# Altium PCB Even.PcbDoc (part 1 of 3) (continued)
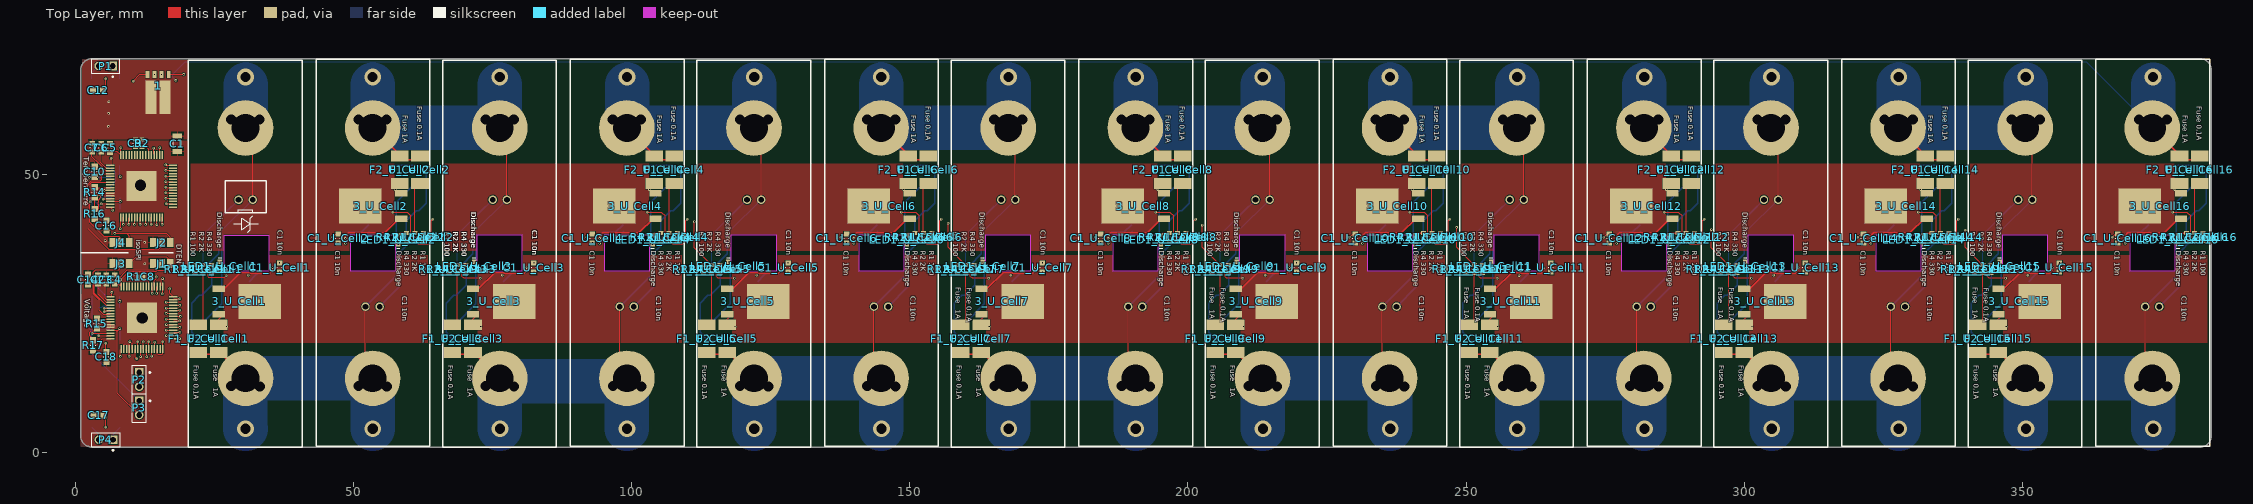
[diagram p0: Top Layer view]
## Components (designator, comment, footprint, x,y, rotation, side; value= is the part's Value field where it differs from the comment) (continued)
F1_U_Cell10 "0679L" 2410SMD 244.775,50.85 r90 top (schematic designator F1)
F1_U_Cell11 "0679L" 2410SMD 250.6,20.5 r270 top (schematic designator F1)
F1_U_Cell12 "0679L" 2410SMD 290.475,50.85 r90 top (schematic designator F1)
F1_U_Cell13 "0679L" 2410SMD 296.3,20.5 r270 top (schematic designator F1)
F1_U_Cell14 "0679L" 2410SMD 336.175,50.85 r90 top (schematic designator F1)
F1_U_Cell15 "0679L" 2410SMD 342,20.5 r270 top (schematic designator F1)
F1_U_Cell16 "0679L" 2410SMD 381.875,50.85 r90 top (schematic designator F1)
F2_U_Cell1 "0679L" 2410SMD 25.8,20.5 r90 top (schematic designator F2)
F2_U_Cell2 "0679L" 2410SMD 58.35,50.85 r270 top (schematic designator F2)
F2_U_Cell3 "0679L" 2410SMD 71.5,20.5 r90 top (schematic designator F2)
F2_U_Cell4 "0679L" 2410SMD 104.05,50.85 r270 top (schematic designator F2)
F2_U_Cell5 "0679L" 2410SMD 117.2,20.5 r90 top (schematic designator F2)
F2_U_Cell6 "0679L" 2410SMD 149.75,50.85 r270 top (schematic designator F2)
F2_U_Cell7 "0679L" 2410SMD 162.9,20.5 r90 top (schematic designator F2)
F2_U_Cell8 "0679L" 2410SMD 195.45,50.85 r270 top (schematic designator F2)
F2_U_Cell9 "0679L" 2410SMD 208.6,20.5 r90 top (schematic designator F2)
F2_U_Cell10 "0679L" 2410SMD 241.15,50.85 r270 top (schematic designator F2)
F2_U_Cell11 "0679L" 2410SMD 254.3,20.5 r90 top (schematic designator F2)
F2_U_Cell12 "0679L" 2410SMD 286.85,50.85 r270 top (schematic designator F2)
F2_U_Cell13 "0679L" 2410SMD 300,20.5 r90 top (schematic designator F2)
F2_U_Cell14 "0679L" 2410SMD 332.55,50.85 r270 top (schematic designator F2)
F2_U_Cell15 "0679L" 2410SMD 345.7,20.5 r90 top (schematic designator F2)
F2_U_Cell16 "0679L" 2410SMD 378.25,50.85 r270 top (schematic designator F2)
J1 "JUMPER_2W" SJ_2 15.524,34 r180 top
J2 "JUMPER_2W" SJ_2 15.524,37.75 r180 top
J3 "JUMPER_2W" SJ_2 8.226,34 r180 top
J4 "JUMPER_2W" SJ_2 8.226,37.75 r180 top
LED1_U_Cell1 "150060SS75000" 0603_A 26,33.5 r270 top (schematic designator LED1)
LED1_U_Cell2 "150060SS75000" 0603_A 58.075,38.25 r90 top (schematic designator LED1)
LED1_U_Cell3 "150060SS75000" 0603_A 71.7,33.5 r270 top (schematic designator LED1)
LED1_U_Cell4 "150060SS75000" 0603_A 103.775,38.25 r90 top (schematic designator LED1)
LED1_U_Cell5 "150060SS75000" 0603_A 117.4,33.5 r270 top (schematic designator LED1)
LED1_U_Cell6 "150060SS75000" 0603_A 149.475,38.25 r90 top (schematic designator LED1)
LED1_U_Cell7 "150060SS75000" 0603_A 163.1,33.5 r270 top (schematic designator LED1)
LED1_U_Cell8 "150060SS75000" 0603_A 195.175,38.25 r90 top (schematic designator LED1)
LED1_U_Cell9 "150060SS75000" 0603_A 208.8,33.5 r270 top (schematic designator LED1)
LED1_U_Cell10 "150060SS75000" 0603_A 240.875,38.25 r90 top (schematic designator LED1)
LED1_U_Cell11 "150060SS75000" 0603_A 254.5,33.5 r270 top (schematic designator LED1)
LED1_U_Cell12 "150060SS75000" 0603_A 286.575,38.25 r90 top (schematic designator LED1)
LED1_U_Cell13 "150060SS75000" 0603_A 300.2,33.5 r270 top (schematic designator LED1)
LED1_U_Cell14 "150060SS75000" 0603_A 332.275,38.25 r90 top (schematic designator LED1)
LED1_U_Cell15 "150060SS75000" 0603_A 345.9,33.5 r270 top (schematic designator LED1)
LED1_U_Cell16 "150060SS75000" 0603_A 377.975,38.25 r90 top (schematic designator LED1)
P1 "TSW-102-07-S-S" SMTC-TSW-102-07-S-S 5.475,69.5 r180 top
P2 "TSW-102-07-S-S" SMTC-TSW-102-07-S-S 11.5,13.13 r270 top
P3 "TSW-102-07-S-S" SMTC-TSW-102-07-S-S 11.5,8.05 r270 top
P4 "TSW-102-07-S-S" SMTC-TSW-102-07-S-S 5.525,2.325 r180 top
R1 "100 1% 0603(1608)" RESC0603(1608)_L 10.6,31.6 r0 top value="2.94 Ohm"
R1_U_Cell1 "100 1% 0603(1608)" RESC0603(1608)_L 21.5,33 r270 top value="2.94 Ohm" (schematic designator R1)
R1_U_Cell2 "100 1% 0603(1608)" RESC0603(1608)_L 62.575,38.75 r90 top value="2.94 Ohm" (schematic designator R1)
R1_U_Cell3 "100 1% 0603(1608)" RESC0603(1608)_L 67.2,33 r270 top value="2.94 Ohm" (schematic designator R1)
R1_U_Cell4 "100 1% 0603(1608)" RESC0603(1608)_L 108.275,38.75 r90 top value="2.94 Ohm" (schematic designator R1)
R1_U_Cell5 "100 1% 0603(1608)" RESC0603(1608)_L 112.9,33 r270 top value="2.94 Ohm" (schematic designator R1)
R1_U_Cell6 "100 1% 0603(1608)" RESC0603(1608)_L 153.975,38.75 r90 top value="2.94 Ohm" (schematic designator R1)
R1_U_Cell7 "100 1% 0603(1608)" RESC0603(1608)_L 158.6,33 r270 top value="2.94 Ohm" (schematic designator R1)
R1_U_Cell8 "100 1% 0603(1608)" RESC0603(1608)_L 199.675,38.75 r90 top value="2.94 Ohm" (schematic designator R1)
R1_U_Cell9 "100 1% 0603(1608)" RESC0603(1608)_L 204.3,33 r270 top value="2.94 Ohm" (schematic designator R1)
R1_U_Cell10 "100 1% 0603(1608)" RESC0603(1608)_L 245.375,38.75 r90 top value="2.94 Ohm" (schematic designator R1)
R1_U_Cell11 "100 1% 0603(1608)" RESC0603(1608)_L 250,33 r270 top value="2.94 Ohm" (schematic designator R1)
R1_U_Cell12 "100 1% 0603(1608)" RESC0603(1608)_L 291.075,38.75 r90 top value="2.94 Ohm" (schematic designator R1)
R1_U_Cell13 "100 1% 0603(1608)" RESC0603(1608)_L 295.7,33 r270 top value="2.94 Ohm" (schematic designator R1)
R1_U_Cell14 "100 1% 0603(1608)" RESC0603(1608)_L 336.775,38.75 r90 top value="2.94 Ohm" (schematic designator R1)
R1_U_Cell15 "100 1% 0603(1608)" RESC0603(1608)_L 341.4,33 r270 top value="2.94 Ohm" (schematic designator R1)
R1_U_Cell16 "100 1% 0603(1608)" RESC0603(1608)_L 382.475,38.75 r90 top value="2.94 Ohm" (schematic designator R1)
R2 "100 1% 0603(1608)" RESC0603(1608)_L 12.014,55.601 r90 top value="2.94 Ohm"
R2_U_Cell1 "2K 1% 0603(1608)" RESC0603(1608)_L 23,33 r270 top value="2.94 Ohm" (schematic designator R2)
R2_U_Cell2 "2K 1% 0603(1608)" RESC0603(1608)_L 61.075,38.75 r90 top value="2.94 Ohm" (schematic designator R2)
R2_U_Cell3 "2K 1% 0603(1608)" RESC0603(1608)_L 68.7,33 r270 top value="2.94 Ohm" (schematic designator R2)
R2_U_Cell4 "2K 1% 0603(1608)" RESC0603(1608)_L 106.775,38.75 r90 top value="2.94 Ohm" (schematic designator R2)
R2_U_Cell5 "2K 1% 0603(1608)" RESC0603(1608)_L 114.4,33 r270 top value="2.94 Ohm" (schematic designator R2)
R2_U_Cell6 "2K 1% 0603(1608)" RESC0603(1608)_L 152.475,38.75 r90 top value="2.94 Ohm" (schematic designator R2)
R2_U_Cell7 "2K 1% 0603(1608)" RESC0603(1608)_L 160.1,33 r270 top value="2.94 Ohm" (schematic designator R2)
R2_U_Cell8 "2K 1% 0603(1608)" RESC0603(1608)_L 198.175,38.75 r90 top value="2.94 Ohm" (schematic designator R2)
R2_U_Cell9 "2K 1% 0603(1608)" RESC0603(1608)_L 205.8,33 r270 top value="2.94 Ohm" (schematic designator R2)
R2_U_Cell10 "2K 1% 0603(1608)" RESC0603(1608)_L 243.875,38.75 r90 top value="2.94 Ohm" (schematic designator R2)
R2_U_Cell11 "2K 1% 0603(1608)" RESC0603(1608)_L 251.5,33 r270 top value="2.94 Ohm" (schematic designator R2)
R2_U_Cell12 "2K 1% 0603(1608)" RESC0603(1608)_L 289.575,38.75 r90 top value="2.94 Ohm" (schematic designator R2)
R2_U_Cell13 "2K 1% 0603(1608)" RESC0603(1608)_L 297.2,33 r270 top value="2.94 Ohm" (schematic designator R2)
R2_U_Cell14 "2K 1% 0603(1608)" RESC0603(1608)_L 335.275,38.75 r90 top value="2.94 Ohm" (schematic designator R2)
R2_U_Cell15 "2K 1% 0603(1608)" RESC0603(1608)_L 342.9,33 r270 top value="2.94 Ohm" (schematic designator R2)
R2_U_Cell16 "2K 1% 0603(1608)" RESC0603(1608)_L 380.975,38.75 r90 top value="2.94 Ohm" (schematic designator R2)
R3_U_Cell1 "100K NTC 1% 0603(1608)" RESC0603(1608)_L 31.8,30.675 r0 bottom value="2.94 Ohm" (schematic designator R3)
R3_U_Cell2 "100K NTC 1% 0603(1608)" RESC0603(1608)_L 52.275,41.075 r180 bottom value="2.94 Ohm" (schematic designator R3)
R3_U_Cell3 "100K NTC 1% 0603(1608)" RESC0603(1608)_L 77.5,30.675 r0 bottom value="2.94 Ohm" (schematic designator R3)
R3_U_Cell4 "100K NTC 1% 0603(1608)" RESC0603(1608)_L 97.975,41.075 r180 bottom value="2.94 Ohm" (schematic designator R3)
R3_U_Cell5 "100K NTC 1% 0603(1608)" RESC0603(1608)_L 123.2,30.675 r0 bottom value="2.94 Ohm" (schematic designator R3)
R3_U_Cell6 "100K NTC 1% 0603(1608)" RESC0603(1608)_L 143.675,41.075 r180 bottom value="2.94 Ohm" (schematic designator R3)
R3_U_Cell7 "100K NTC 1% 0603(1608)" RESC0603(1608)_L 168.9,30.675 r0 bottom value="2.94 Ohm" (schematic designator R3)
R3_U_Cell8 "100K NTC 1% 0603(1608)" RESC0603(1608)_L 189.375,41.075 r180 bottom value="2.94 Ohm" (schematic designator R3)
R3_U_Cell9 "100K NTC 1% 0603(1608)" RESC0603(1608)_L 214.6,30.675 r0 bottom value="2.94 Ohm" (schematic designator R3)
R3_U_Cell10 "100K NTC 1% 0603(1608)" RESC0603(1608)_L 235.075,41.075 r180 bottom value="2.94 Ohm" (schematic designator R3)
R3_U_Cell11 "100K NTC 1% 0603(1608)" RESC0603(1608)_L 260.3,30.675 r0 bottom value="2.94 Ohm" (schematic designator R3)
R3_U_Cell12 "100K NTC 1% 0603(1608)" RESC0603(1608)_L 280.775,41.075 r180 bottom value="2.94 Ohm" (schematic designator R3)
R3_U_Cell13 "100K NTC 1% 0603(1608)" RESC0603(1608)_L 306,30.675 r0 bottom value="2.94 Ohm" (schematic designator R3)
R3_U_Cell14 "100K NTC 1% 0603(1608)" RESC0603(1608)_L 326.475,41.075 r180 bottom value="2.94 Ohm" (schematic designator R3)
R3_U_Cell15 "100K NTC 1% 0603(1608)" RESC0603(1608)_L 351.7,30.675 r0 bottom value="2.94 Ohm" (schematic designator R3)
R3_U_Cell16 "100K NTC 1% 0603(1608)" RESC0603(1608)_L 372.175,41.075 r180 bottom value="2.94 Ohm" (schematic designator R3)
R4_U_Cell1 "330R 1% 0603(1608)" RESC0603(1608)_L 24.5,33 r270 top value="2.94 Ohm" (schematic designator R4)
R4_U_Cell2 "330R 1% 0603(1608)" RESC0603(1608)_L 59.575,38.75 r90 top value="2.94 Ohm" (schematic designator R4)
R4_U_Cell3 "330R 1% 0603(1608)" RESC0603(1608)_L 70.2,33 r270 top value="2.94 Ohm" (schematic designator R4)
R4_U_Cell4 "330R 1% 0603(1608)" RESC0603(1608)_L 105.275,38.75 r90 top value="2.94 Ohm" (schematic designator R4)
R4_U_Cell5 "330R 1% 0603(1608)" RESC0603(1608)_L 115.9,33 r270 top value="2.94 Ohm" (schematic designator R4)
R4_U_Cell6 "330R 1% 0603(1608)" RESC0603(1608)_L 150.975,38.75 r90 top value="2.94 Ohm" (schematic designator R4)
R4_U_Cell7 "330R 1% 0603(1608)" RESC0603(1608)_L 161.6,33 r270 top value="2.94 Ohm" (schematic designator R4)
R4_U_Cell8 "330R 1% 0603(1608)" RESC0603(1608)_L 196.675,38.75 r90 top value="2.94 Ohm" (schematic designator R4)
R4_U_Cell9 "330R 1% 0603(1608)" RESC0603(1608)_L 207.3,33 r270 top value="2.94 Ohm" (schematic designator R4)
R4_U_Cell10 "330R 1% 0603(1608)" RESC0603(1608)_L 242.375,38.75 r90 top value="2.94 Ohm" (schematic designator R4)
R4_U_Cell11 "330R 1% 0603(1608)" RESC0603(1608)_L 253,33 r270 top value="2.94 Ohm" (schematic designator R4)
R4_U_Cell12 "330R 1% 0603(1608)" RESC0603(1608)_L 288.075,38.75 r90 top value="2.94 Ohm" (schematic designator R4)
R4_U_Cell13 "330R 1% 0603(1608)" RESC0603(1608)_L 298.7,33 r270 top value="2.94 Ohm" (schematic designator R4)
R4_U_Cell14 "330R 1% 0603(1608)" RESC0603(1608)_L 333.775,38.75 r90 top value="2.94 Ohm" (schematic designator R4)
R4_U_Cell15 "330R 1% 0603(1608)" RESC0603(1608)_L 344.4,33 r270 top value="2.94 Ohm" (schematic designator R4)
R4_U_Cell16 "330R 1% 0603(1608)" RESC0603(1608)_L 379.475,38.75 r90 top value="2.94 Ohm" (schematic designator R4)
R5_U_Cell1 "3K3 1% 0603(1608)" RESC0603(1608)_L 31.8,31.897 r0 bottom value="2.94 Ohm" (schematic designator R5)
R5_U_Cell2 "3K3 1% 0603(1608)" RESC0603(1608)_L 52.275,39.853 r180 bottom value="2.94 Ohm" (schematic designator R5)
R5_U_Cell3 "3K3 1% 0603(1608)" RESC0603(1608)_L 77.5,31.897 r0 bottom value="2.94 Ohm" (schematic designator R5)
R5_U_Cell4 "3K3 1% 0603(1608)" RESC0603(1608)_L 97.975,39.853 r180 bottom value="2.94 Ohm" (schematic designator R5)
R5_U_Cell5 "3K3 1% 0603(1608)" RESC0603(1608)_L 123.2,31.897 r0 bottom value="2.94 Ohm" (schematic designator R5)
R5_U_Cell6 "3K3 1% 0603(1608)" RESC0603(1608)_L 143.675,39.853 r180 bottom value="2.94 Ohm" (schematic designator R5)
R5_U_Cell7 "3K3 1% 0603(1608)" RESC0603(1608)_L 168.9,31.897 r0 bottom value="2.94 Ohm" (schematic designator R5)
R5_U_Cell8 "3K3 1% 0603(1608)" RESC0603(1608)_L 189.375,39.853 r180 bottom value="2.94 Ohm" (schematic designator R5)
R5_U_Cell9 "3K3 1% 0603(1608)" RESC0603(1608)_L 214.6,31.897 r0 bottom value="2.94 Ohm" (schematic designator R5)
R5_U_Cell10 "3K3 1% 0603(1608)" RESC0603(1608)_L 235.075,39.853 r180 bottom value="2.94 Ohm" (schematic designator R5)
R5_U_Cell11 "3K3 1% 0603(1608)" RESC0603(1608)_L 260.3,31.897 r0 bottom value="2.94 Ohm" (schematic designator R5)
R5_U_Cell12 "3K3 1% 0603(1608)" RESC0603(1608)_L 280.775,39.853 r180 bottom value="2.94 Ohm" (schematic designator R5)
R5_U_Cell13 "3K3 1% 0603(1608)" RESC0603(1608)_L 306,31.897 r0 bottom value="2.94 Ohm" (schematic designator R5)
R5_U_Cell14 "3K3 1% 0603(1608)" RESC0603(1608)_L 326.475,39.853 r180 bottom value="2.94 Ohm" (schematic designator R5)
R5_U_Cell15 "3K3 1% 0603(1608)" RESC0603(1608)_L 351.7,31.897 r0 bottom value="2.94 Ohm" (schematic designator R5)
R5_U_Cell16 "3K3 1% 0603(1608)" RESC0603(1608)_L 372.175,39.853 r180 bottom value="2.94 Ohm" (schematic designator R5)
R6 "49R9 1% 0603(1608)" RESC0603(1608)_N 7.3,49.6 r0 bottom value="49.90 Ohm"
R7 "49R9 1% 0603(1608)" RESC0603(1608)_N 3.4,49.5 r0 bottom value="49.90 Ohm"
R8 "49R9 1% 0603(1608)" RESC0603(1608)_N 7.2,26.1 r0 bottom value="49.90 Ohm"
R9 "49R9 1% 0603(1608)" RESC0603(1608)_N 7.3,45.8 r0 bottom value="49.90 Ohm"
R10 "49R9 1% 0603(1608)" RESC0603(1608)_N 3.4,26.1 r0 bottom value="49.90 Ohm"
R11 "49R9 1% 0603(1608)" RESC0603(1608)_N 3.4,45.8 r0 bottom value="49.90 Ohm"
R12 "49R9 1% 0603(1608)" RESC0603(1608)_N 3.34,22.3 r180 bottom value="49.90 Ohm"
R13 "49R9 1% 0603(1608)" RESC0603(1608)_N 7.2,22.3 r180 bottom value="49.90 Ohm"
R14 "1K 1% 0603(1608)" RESC0603(1608)_M 3.5,46.8 r90 top value="1000.00 Ohm"
R15 "1K 1% 0603(1608)" RESC0603(1608)_M 3.9,23.2 r90 top value="1000.00 Ohm"
R16 "1K 1% 0603(1608)" RESC0603(1608)_M 3.5,42.9 r90 top value="1000.00 Ohm"
R17 "1K 1% 0603(1608)" RESC0603(1608)_M 3.2,19.3 r90 top value="1000.00 Ohm"
R_U_Cell1 "TKH45" TO252-TKH-45 35.25,25.7 r90 bottom (schematic designator R)
R_U_Cell2 "TKH45" TO252-TKH-45 48.825,46.05 r270 bottom (schematic designator R)
R_U_Cell3 "TKH45" TO252-TKH-45 80.95,25.7 r90 bottom (schematic designator R)
R_U_Cell4 "TKH45" TO252-TKH-45 94.525,46.05 r270 bottom (schematic designator R)
R_U_Cell5 "TKH45" TO252-TKH-45 126.65,25.7 r90 bottom (schematic designator R)
R_U_Cell6 "TKH45" TO252-TKH-45 140.225,46.05 r270 bottom (schematic designator R)
R_U_Cell7 "TKH45" TO252-TKH-45 172.35,25.7 r90 bottom (schematic designator R)
R_U_Cell8 "TKH45" TO252-TKH-45 185.925,46.05 r270 bottom (schematic designator R)
R_U_Cell9 "TKH45" TO252-TKH-45 218.05,25.7 r90 bottom (schematic designator R)
R_U_Cell10 "TKH45" TO252-TKH-45 231.625,46.05 r270 bottom (schematic designator R)
R_U_Cell11 "TKH45" TO252-TKH-45 263.75,25.7 r90 bottom (schematic designator R)
R_U_Cell12 "TKH45" TO252-TKH-45 277.325,46.05 r270 bottom (schematic designator R)
R_U_Cell13 "TKH45" TO252-TKH-45 309.45,25.7 r90 bottom (schematic designator R)
R_U_Cell14 "TKH45" TO252-TKH-45 323.025,46.05 r270 bottom (schematic designator R)
R_U_Cell15 "TKH45" TO252-TKH-45 355.15,25.7 r90 bottom (schematic designator R)
R_U_Cell16 "TKH45" TO252-TKH-45 368.725,46.05 r270 bottom (schematic designator R)
Temperature "LTC6813HLWE-1" LQFP64_LWE_A 11.925,47.9 r90 top
Voltage "LTC6813HLWE-1" LQFP64_LWE_A 12,24.25 r90 top

## Footprints (in the part's own frame and the unit in brackets; to place one, negate y for a bottom-side part, rotate by r counter-clockwise, add the part's x,y. Pads: shape width x height; smd on the part's side, far side on the other; paste and mask are expansions set on the pad)
6PT#1 [mil]
  round 60 hole 40: 1(350.39,1746.46) 2(450.39,1746.46)
  rect 800x500 smd far side: CELL+(399,482) CELL-(400,2254)
  round 393.7 / inner round 60 / far side round 393.7 hole 196.85: CELL+(399.61,482.28) CELL-(399.61,2253.94)
  Keep-Out Layer board cut-out: 250,1496.46 564.96,1496.46 564.96,1240.16 250,1240.16
  silkscreen extent -5,-5 800,2733, body extent -5,-1 795,2735
6PT#2 [mil]
  round 60 hole 40: 1(350.39,1746.46) 2(450.39,1746.46)
  rect 800x500 smd far side: CELL+(399,482) CELL-(400,2254)
  round 393.7 / inner round 60 / far side round 393.7 hole 196.85: CELL+(399.61,482.28) CELL-(399.61,2253.94)
  silkscreen extent -5,-5 800,2733, body extent 1,-3 800,2733
0603_A [mm] "Chip LED, 2-Leads, Body 1.6x0.8mm, IPC Medium Density"
  rect 0.8x0.8 smd: 1(-0.8,0) 2(0.8,0)
  silkscreen extent -1.5,-0.3 -1.5,0.3, body extent -0.8,-0.4 0.8,0.4, height 0.7
2410SMD [mm]
  rect 1.96x3.15 smd: P$1(-2.5,0) P$2(2.5,0)
CAPC0603(1608)100_L [mm] "Chip Capacitor, Body 1.6x0.8mm, Height 1.0mm, IPC High Density"
  rect 0.7x0.9 smd: 1(-0.7,0) 2(0.7,0)
  silkscreen extent -0.05,-0.35 0.05,0.35, body extent -0.87,-0.47 0.88,0.48, height 1
CAPC0603(1608)100_M [mm] "Chip Capacitor, Body 1.6x0.8mm, Height 1.0mm, IPC Low Density"
  rect 1.1x1.1 smd: 1(-0.9,0) 2(0.9,0)
  silkscreen extent -0.05,-0.45 0.05,0.45, body extent -0.87,-0.47 0.88,0.48, height 1
CAPC0603(1608)100_N [mm] "Chip Capacitor, Body 1.6x0.8mm, Height 1.0mm, IPC Medium Density"
  rect 0.9x1 smd: 1(-0.8,0) 2(0.8,0)
  silkscreen extent -0.05,-0.4 0.05,0.4, body extent -0.87,-0.48 0.88,0.47, height 1
CAPC1206(3216)190_L [mm] "Chip Capacitor, Body 3.2x1.6mm, Height 1.9mm, IPC High Density"
  rect 0.95x1.7 smd: 1(-1.4,0) 2(1.4,0)
  silkscreen extent -0.55,-0.75 0.55,0.75, body extent -1.7,-0.9 1.7,0.9, height 1.9
HM2108NL [mm]
  rect 1.02x1.95 smd: 1(-2.54,-7.82) 2(0,-7.82) 3(2.54,-7.82) 4(2.54,7.82) 5(0,7.82) 6(-2.54,7.82)
  body extent -4.38,-7.18 4.38,7.18, height 5.75
LFPAK56D [mm]
  rect 0.7x1.2 smd: B1(-0.635,-3.175) B2(1.905,-3.175) E1(-1.905,-3.175) E2(0.635,-3.175)
  rect 2x6 smd: C1(-1.27,0.9) C2(1.27,0.9)
  body extent -2.55,-3.45 2.55,2.71, height 1.06
LQFP64_LWE_A [mm]
  rect 1.461x0.27 smd: 1(-5.625,3.75) 2(-5.625,3.25) 3(-5.625,2.75) 4(-5.625,2.25) 5(-5.625,1.75) 6(-5.625,1.25) 7(-5.625,0.75) 8(-5.625,0.25) 9(-5.625,-0.25) 10(-5.625,-0.75) 11(-5.625,-1.25) 12(-5.625,-1.75) 13(-5.625,-2.25) 14(-5.625,-2.75) 15(-5.625,-3.25) 16(-5.625,-3.75) 33(5.625,-3.75) 34(5.625,-3.25) 35(5.625,-2.75) 36(5.625,-2.25) 37(5.625,-1.75) 38(5.625,-1.25) 39(5.625,-0.75) 40(5.625,-0.25) 41(5.625,0.25) 42(5.625,0.75) 43(5.625,1.25) 44(5.625,1.75) 45(5.625,2.25) 46(5.625,2.75) 47(5.625,3.25) 48(5.625,3.75)
  rect 0.27x1.461 smd: 17(-3.75,-5.625) 18(-3.25,-5.625) 19(-2.75,-5.625) 20(-2.25,-5.625) 21(-1.75,-5.625) 22(-1.25,-5.625) 23(-0.75,-5.625) 24(-0.25,-5.625) 25(0.25,-5.625) 26(0.75,-5.625) 27(1.25,-5.625) 28(1.75,-5.625) 29(2.25,-5.625) 30(2.75,-5.625) 31(3.25,-5.625) 32(3.75,-5.625) 49(3.75,5.625) 50(3.25,5.625) 51(2.75,5.625) 52(2.25,5.625) 53(1.75,5.625) 54(1.25,5.625) 55(0.75,5.625) 56(0.25,5.625) 57(-0.25,5.625) 58(-0.75,5.625) 59(-1.25,5.625) 60(-1.75,5.625) 61(-2.25,5.625) 62(-2.75,5.625) 63(-3.25,5.625) 64(-3.75,5.625)
  rect 5.4x5.4 smd paste+0: 65(0,0)
  body extent -6.07,-6.07 6.07,6.07, height 1.6
RESC0603(1608)_L [mm] "Chip Resistor, Body 1.6x0.8mm, IPC High Density"
  rect 0.7x0.9 smd: 1(-0.7,0) 2(0.7,0)
  silkscreen extent -0.05,-0.35 0.05,0.35, body extent -0.85,-0.47 0.85,0.47, height 0.6
RESC0603(1608)_M [mm] "Chip Resistor, Body 1.6x0.8mm, IPC Low Density"
  rect 1.1x1.1 smd: 1(-0.9,0) 2(0.9,0)
  silkscreen extent -0.05,-0.45 0.05,0.45, body extent -0.85,-0.47 0.85,0.47, height 0.6
RESC0603(1608)_N [mm] "Chip Resistor, Body 1.6x0.8mm, IPC Medium Density"
  rect 0.9x1 smd: 1(-0.8,0) 2(0.8,0)
  silkscreen extent -0.05,-0.4 0.05,0.4, body extent -0.85,-0.47 0.85,0.47, height 0.6
SJ_2 [mil]
  rect 46x63 smd: 1(-60,0) 2(0,0) 3(60,0)
SMTC-TSW-102-07-S-S [mm] "Header, 2-Leads, Body 5.08x2.54mm, Pitch 2.54mm"
  rect 1.55x1.55 hole 1.02: 1(-1.27,0)
  round 1.55 hole 1.02: 2(1.27,0)
  silkscreen extent -2.54,-1.27 2.54,2.04, body extent -2.54,-1.27 2.67,1.27, height 8.38
TO252 [mm]
  rect 1.2x2.2 smd: 1(-2.279,-7.409) 3(2.321,-7.409)
  rect 6.35x7.62 smd: 2(0.021,-0.009)
  body extent -3.22,-7.29 3.28,1.41, height 2.3
TO252-TKH-45 [mm]
  rect 2x3 smd: 1(-2.55,-12.5) 2(2.55,-12.5)
  rect 8x8.2 smd: 3(0,-4.1)
  body extent -4.15,-12.91 4.15,-0.91, height 0.89

## Part data
1: Package=LFPAK56D, DeviceSetName=PHPT610030NK, GateName_1=G$1, GateName_2=G$2, LibraryName=IFE_Transistors, SymbolName_1=NPN, SymbolName_2=NPN
2 R_U_Cell1 R_U_Cell2 R_U_Cell3 R_U_Cell4 R_U_Cell5 R_U_Cell6 R_U_Cell7 R_U_Cell8 R_U_Cell9 R_U_Cell10 R_U_Cell11 R_U_Cell12 R_U_Cell13 R_U_Cell14 R_U_Cell15 R_U_Cell16: Package=TO252-TKH-45, DeviceSetName=TKH45, GateName_1=G$1, LibraryName=IFE_Resistors, SymbolName_1=R-US
3_U_Cell1 3_U_Cell2 3_U_Cell3 3_U_Cell4 3_U_Cell5 3_U_Cell6 3_U_Cell7 3_U_Cell8 3_U_Cell9 3_U_Cell10 3_U_Cell11 3_U_Cell12 3_U_Cell13 3_U_Cell14 3_U_Cell15 3_U_Cell16: Package=TO252, DeviceSetName=DMP10H400SK3-13, GateName_1=G$1, LibraryName=IFE_Transistors, SymbolName_1=LABELED-PMOS
C1: library part CMP-1037-04407-1, "CAP 220nF 100V ±10% 1206 (3216 Metric) Thickness 1.9mm SMD", Case-EIA=1206, Case-Metric=3216, Rated Voltage="100 V", Tolerance=±10%, Max Thickness="1.9 mm", Technology=SMT
C1_U_Cell1 C1_U_Cell2 C1_U_Cell3 C1_U_Cell4 C1_U_Cell5 C1_U_Cell6 C1_U_Cell7 C1_U_Cell8 C1_U_Cell9 C1_U_Cell10 C1_U_Cell11 C1_U_Cell12 C1_U_Cell13 C1_U_Cell14 C1_U_Cell15 C1_U_Cell16: library part CMP-1035-02324-1, "CAP 10nF 100V ±5% 0603 (1608 Metric) Thickness 1mm SMD", Case-EIA=0603, Case-Metric=1608, Rated Voltage="100 V", Tolerance=±5%, Max Thickness="1 mm", Technology=SMT
C2 C3 C4 C5 C6 C7: library part CMP-1035-02736-1, "CAP 1uF 16V ±5% 0603 (1608 Metric) Thickness 1mm SMD", Case-EIA=0603, Case-Metric=1608, Rated Voltage="16 V", Tolerance=±5%, Max Thickness="1 mm", Technology=SMT
C8 C9: library part CMP-1035-02309-1, "CAP 10nF 16V ±1% 0603 (1608 Metric) Thickness 1mm SMD", Case-EIA=0603, Case-Metric=1608, Rated Voltage="16 V", Tolerance=±1%, Max Thickness="1 mm", Technology=SMT
C10 C11 C12 C13 C14 C15 C16 C17 C18 C19: library part CMP-1035-02304-1, "CAP 10nF 10V ±2% 0603 (1608 Metric) Thickness 1mm SMD", Case-EIA=0603, Case-Metric=1608, Rated Voltage="10 V", Tolerance=±2%, Max Thickness="1 mm", Technology=SMT
CELL+_U_Cell1 CELL+_U_Cell2 CELL+_U_Cell3 CELL+_U_Cell4 CELL+_U_Cell5 CELL+_U_Cell6 CELL+_U_Cell7 CELL+_U_Cell8 CELL+_U_Cell9 CELL+_U_Cell10 CELL+_U_Cell11 CELL+_U_Cell12 CELL+_U_Cell13 CELL+_U_Cell14 CELL+_U_Cell15 CELL+_U_Cell16: Package=6PT, DeviceSetName=LI6PT, GateName_1=G$1, GateName_2=G$2, LibraryName=IFE_Energus, SymbolName_1=ENERGUS_CELL, SymbolName_2=TEMP_JST_XH
F1_U_Cell1 F1_U_Cell2 F1_U_Cell3 F1_U_Cell4 F1_U_Cell5 F1_U_Cell6 F1_U_Cell7 F1_U_Cell8 F1_U_Cell9 F1_U_Cell10 F1_U_Cell11 F1_U_Cell12 F1_U_Cell13 F1_U_Cell14 F1_U_Cell15 F1_U_Cell16 F2_U_Cell1 F2_U_Cell2 F2_U_Cell3 F2_U_Cell4 F2_U_Cell5 F2_U_Cell6 F2_U_Cell7 F2_U_Cell8 F2_U_Cell9 F2_U_Cell10 F2_U_Cell11 F2_U_Cell12 F2_U_Cell13 F2_U_Cell14 F2_U_Cell15 F2_U_Cell16: Package=2410SMD, DeviceSetName=0679L, GateName_1=G$1, LibraryName=IFE_Fuses, SymbolName_1=FUSE
J1 J2 J3 J4: Package=SJ_2, DeviceSetName=JUMPER_2W, GateName_1=G$1, LibraryName=IFE_Jumpers, SymbolName_1=SJ_2
LED1_U_Cell1 LED1_U_Cell2 LED1_U_Cell3 LED1_U_Cell4 LED1_U_Cell5 LED1_U_Cell6 LED1_U_Cell7 LED1_U_Cell8 LED1_U_Cell9 LED1_U_Cell10 LED1_U_Cell11 LED1_U_Cell12 LED1_U_Cell13 LED1_U_Cell14 LED1_U_Cell15 LED1_U_Cell16: library part CMP-1426-00004-1, "SMD mono-color Chip LED, WL-SMCW, Super Red", Color="Super Red", Manufacturer="Wuerth Elektronik", ComponentLink1Description="Manufacturer URL", ComponentLink1URL=http://www.we-online.com, ComponentLink2Description=Datasheet, ComponentLink2URL=http://katalog.we-online.com/led/datasheet/150060SS75000.pdf, PackageReference=0603_A, PartNumber=150060SS75000
P1 P3: library part CMP-1681-00004-3, "Male Header, Pitch 2.54 mm, 1 x 2 Position, Height 8.38 mm, Tail Length 2.54 mm, -55 to 125 degC, RoHS, Bulk", Colour=Black, Max Operating Temperature="125 degC", Min Operating Temperature="-55 degC", Package Quantity=1, Contact Finish=Gold, Contact Material=Bronze, Contact Plating=Gold, DatasheetVersion=12/2015, Height="8.38 mm", Lead Pitch="0.1 inch", Length="5.08 mm", Mount="Through Hole", Mounting Technology="Through Hole", PackageDescription="Male Header, Pitch 2.54 mm, 1 x 2 Position, Height 8.38 mm, Tail Length 2.54 mm", PackageReference=TSW-102-07-S-S, Packaging=Bulk, Pins=2, REACH SVHC="No SVHC", RoHSCompliant=true, Rows=1
P2 P4: library part CMP-1681-00004-4, "Male Header, Pitch 2.54 mm, 1 x 2 Position, Height 8.38 mm, Tail Length 2.54 mm, -55 to 125 degC, RoHS, Bulk", Colour=Black, Manufacturer=Samtec, Max Operating Temperature="125 degC", Min Operating Temperature="-55 degC", Package Quantity=1, ComponentLink1Description="Manufacturer URL", ComponentLink1URL=http://www.samtec.com/, ComponentLink2Description=Datasheet, ComponentLink2URL=http://suddendocs.samtec.com/catalog_english/tsw_th.pdf, Contact Finish=Gold, Contact Material=Bronze, Contact Plating=Gold, DatasheetVersion=12/2015, Height="8.38 mm", Lead Pitch="0.1 inch", Length="5.08 mm", Mount="Through Hole", Mounting Technology="Through Hole", PackageDescription="Male Header, Pitch 2.54 mm, 1 x 2 Position, Height 8.38 mm, Tail Length 2.54 mm", PackageReference=TSW-102-07-S-S, Packaging=Bulk, Pins=2, REACH SVHC="No SVHC", RoHSCompliant=true, Rows=1
R1 R2 R2_U_Cell1 R2_U_Cell2 R2_U_Cell3 R2_U_Cell4 R2_U_Cell5 R2_U_Cell6 R2_U_Cell7 R2_U_Cell8 R2_U_Cell9 R2_U_Cell10 R2_U_Cell11 R2_U_Cell12 R2_U_Cell13 R2_U_Cell14 R2_U_Cell15 R2_U_Cell16 R3_U_Cell1 R3_U_Cell2 R3_U_Cell3 R3_U_Cell4 R3_U_Cell5 R3_U_Cell6 R3_U_Cell7 R3_U_Cell8 R3_U_Cell9 R3_U_Cell10 R3_U_Cell11 R3_U_Cell12 R3_U_Cell13 R3_U_Cell14 R3_U_Cell15 R3_U_Cell16 R4_U_Cell1 R4_U_Cell2 R4_U_Cell3 R4_U_Cell4 R4_U_Cell5 R4_U_Cell6 R4_U_Cell7 R4_U_Cell8 R4_U_Cell9 R4_U_Cell10 R4_U_Cell11 R4_U_Cell12 R4_U_Cell13 R4_U_Cell14 R4_U_Cell15 R4_U_Cell16 R5_U_Cell1 R5_U_Cell2 R5_U_Cell3 R5_U_Cell4 R5_U_Cell5 R5_U_Cell6 R5_U_Cell7 R5_U_Cell8 R5_U_Cell9 R5_U_Cell10 R5_U_Cell11 R5_U_Cell12 R5_U_Cell13 R5_U_Cell14 R5_U_Cell15 R5_U_Cell16: library part CMP-1012-00222-1, "2R94 0.1W 1% 0603 (1608 Metric)  SMD", Case-EIA=0603, Case-Metric=1608, Power="0.1 W", Tolerance="1 %", Technology=SMT
R1_U_Cell1 R1_U_Cell2 R1_U_Cell3 R1_U_Cell4 R1_U_Cell5 R1_U_Cell6 R1_U_Cell7 R1_U_Cell8 R1_U_Cell9 R1_U_Cell10 R1_U_Cell11 R1_U_Cell12 R1_U_Cell13 R1_U_Cell14 R1_U_Cell15 R1_U_Cell16: library part CMP-1012-00222-1, "100R 0.1W 1% 0603 (1608 Metric)  SMD", Case-EIA=0603, Case-Metric=1608, Power="0.1 W", Tolerance="1 %", Technology=SMT
R6 R7 R8 R9 R10 R11 R12 R13: library part CMP-1012-00363-1, "49R9 0.1W 1% 0603 (1608 Metric)  SMD", Case-EIA=0603, Case-Metric=1608, Power="0.1 W", Tolerance="1 %", Technology=SMT
R14 R15 R16 R17: library part CMP-1012-00510-1, "1K 0.1W 1% 0603 (1608 Metric)  SMD", Case-EIA=0603, Case-Metric=1608, Power="0.1 W", Tolerance="1 %", Technology=SMT
Temperature Voltage: Package=LQFP64_LWE_A, DeviceSetName=LTC6813HLWE-1, GateName_1=A, LibraryName=LTC6813_Official, SymbolName_1=LTC6813XLWE-1
4 5 6: DeviceSetName=HM2108NL, GateName_1=G$1, LibraryName="Transformers and Chokes", Package=HM2108NL, SymbolName_1=HM2108NL

## Via types
v1: diameter 0.45, hole 0.2, Top Layer to Bottom Layer, 282 vias
v2: diameter 3, hole 1.85, Top Layer to Bottom Layer, 96 vias
v3: diameter 3, hole 2, Top Layer to Bottom Layer, 2 vias

## Nets (pads, with @x,y where several pads share a name; then routed paths per layer and width w, separated by ;. In a path a pad name is that pad's centre, name@x,y a point inside that pad or via, vN(x,y) a via of type N, cw(c..) or ccw(c..) an arc to the next point about the centre after c; other vN are vias at no path point)
F_U_Cell1: 3_U_Cell1.3 C1_U_Cell1.2 F2_U_Cell1.P$2 R1_U_Cell1.2 R3_U_Cell1.2 R_U_Cell1.3 | length 9.5
  Top Layer w0.089: R1_U_Cell1.2@21.5,32.3 22.217,33.017 23.487,33.017 23.8,32.704 23.8,31.7 23.95,31.55 26.863,31.55 v1(27.113,31.8)
  Top Layer w0.127: F2_U_Cell1.P$2@25.8,23 25.8,23.973 3_U_Cell1.3@26.71,24.884
  other v1: 27.2,22.65 36.75,32.5
F_U_Cell2: 3_U_Cell2.3 C1_U_Cell2.2 F2_U_Cell2.P$2 R1_U_Cell2.2 R3_U_Cell2.2 R_U_Cell2.3 | length 12.7
  Top Layer w0.089: v1(46.25,38.75) 46.8,39.3 C1_U_Cell2.2@47.25,39.3 ; v1(57.525,47.275) 58.175,46.625 3_U_Cell2.3@58.625,46.625
  Top Layer w0.127: v1(57.103,43.25) 59.65,43.25 60.35,42.55 60.35,38.975 60.575,38.75 61.825,38.75 62.525,39.45 R1_U_Cell2.2@62.575,39.45
  Top Layer w0.254: R1_U_Cell2.2@62.325,39.7 R1_U_Cell2.2@62.575,39.45
F_U_Cell3: 3_U_Cell3.3 C1_U_Cell3.2 F2_U_Cell3.P$2 R1_U_Cell3.2 R3_U_Cell3.2 R_U_Cell3.3 | length 9.5
  Top Layer w0.089: R1_U_Cell3.2@67.2,32.3 67.917,33.017 69.187,33.017 69.5,32.704 69.5,31.7 69.8,31.4 72.758,31.4 v1(72.8,31.358)
  Top Layer w0.127: F2_U_Cell3.P$2@71.5,23 71.5,23.973 3_U_Cell3.3@72.41,24.884
  Bottom Layer w0.089: v1(72.8,31.358) v1@72.822,31.381
  other v1: 72.9,22.65 82.45,32.5
F_U_Cell4: 3_U_Cell4.3 C1_U_Cell4.2 F2_U_Cell4.P$2 R1_U_Cell4.2 R3_U_Cell4.2 R_U_Cell4.3 | length 11.3
  Top Layer w0.089: v1(91.95,38.75) 92.5,39.3 C1_U_Cell4.2@92.95,39.3
  Top Layer w0.127: v1(102.803,43.25) 105.35,43.25 106.05,42.55 106.05,38.975 106.275,38.75 107.525,38.75 108.225,39.45 R1_U_Cell4.2@108.275,39.45
  Top Layer w0.254: R1_U_Cell4.2@108.025,39.7 R1_U_Cell4.2@108.275,39.45
  other v1: 103.225,47.275
F_U_Cell5: 3_U_Cell5.3 C1_U_Cell5.2 F2_U_Cell5.P$2 R1_U_Cell5.2 R3_U_Cell5.2 R_U_Cell5.3 | length 9.5
  Top Layer w0.089: R1_U_Cell5.2@112.9,32.3 113.617,33.017 114.887,33.017 115.2,32.704 115.2,31.7 115.5,31.4 118.458,31.4 v1(118.5,31.358)
  Top Layer w0.127: F2_U_Cell5.P$2@117.2,23 117.2,23.973 3_U_Cell5.3@118.11,24.884
  Bottom Layer w0.089: v1(118.5,31.358) v1@118.522,31.381
  other v1: 118.6,22.65 128.15,32.5